# Altium PCB KlusterLab r2.0.PcbDoc (part 17 of 22)
Units mm, origin at the board's own origin, x right, y up, seen from the top; angles counter-clockwise.
Board outline 232 x 250 mm, 12 copper layers (L1 Top, L2 Inner1 (GND), L3 Inner2 (Sig), L4 Inner3 (GND), L5 Inner4 (PWR), L6 Inner5 (PWR), L7 Inner6 (PWR), L8 Inner7 (PWR), L9 Inner8 (GND), L10 Inner9 (Sig), L11 Inner10 (GND), L12 Bottom), stack 1.614 mm thick; 1169 components, 852 nets, 4679 pads, 5115 vias.
Unrouted connection lines stored in the file: 1.
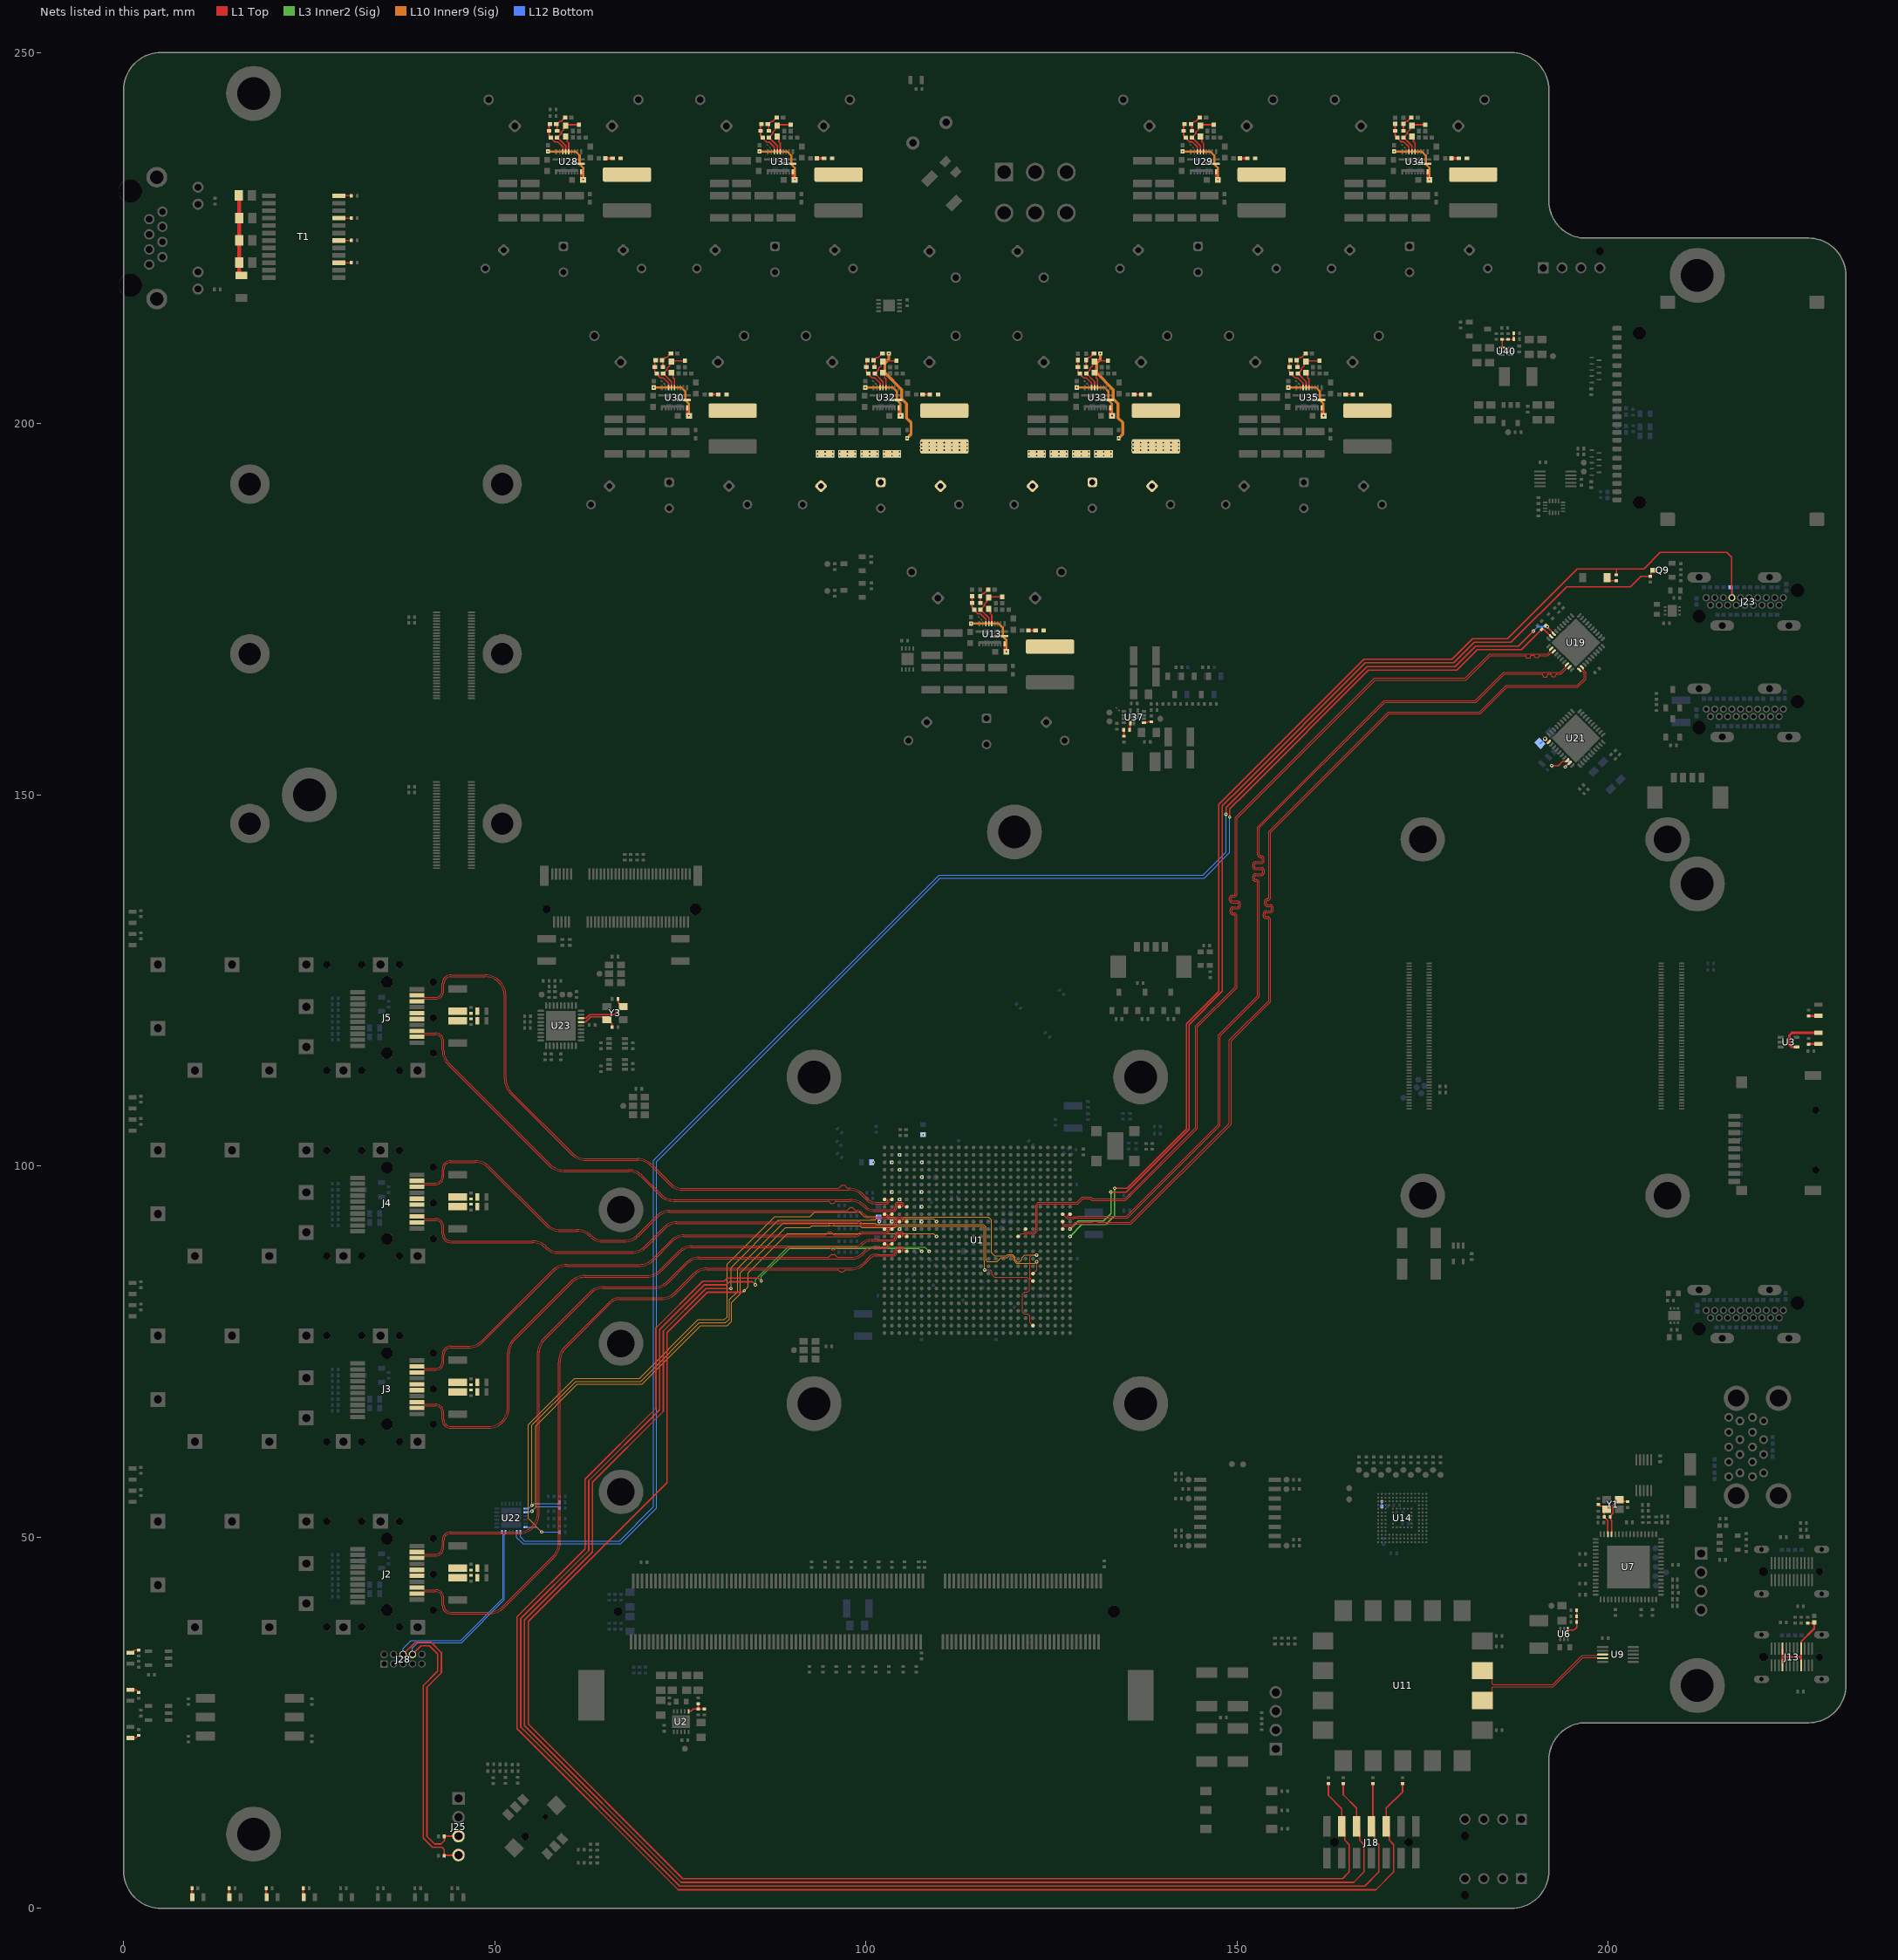
[diagram p27: the nets of this part, all layers, seen from the top]

## Via types
v1: diameter 0.45, hole 0.2, L1 Top to L12 Bottom, tented both sides, 4200 vias
v2: diameter 0.6, hole 0.3, L1 Top to L12 Bottom, tented both sides, 908 vias
v3: diameter 0.4, hole 0.2, L1 Top to L12 Bottom, tented both sides, 7 vias

## Nets (pads, with @x,y where several pads share a name; then routed paths per layer and width w, separated by ;. In a path a pad name is that pad's centre, name@x,y a point inside that pad or via, vN(x,y) a via of type N, cw(c..) or ccw(c..) an arc to the next point about the centre after c; other vN are vias at no path point) (continued)
HDMI_FPGA_TX1_N: U1.K26 U19.38 | length 123.2
  L1 Top w0.1: U1.K26@127.5,93.5 127.392,93.5 127.274,93.382 127.252,93.382 127.142,93.273 127.142,93.19 127.232,93.1 127.811,93.1 127.915,93.204 128.481,93.204
  L1 Top w0.114: 128.481,93.225 135.125,93.225 147.464,105.564 147.464,117.601 152.759,122.897 152.759,137.991 152.759,138.168 ccw(c152.59,138.168) 152.59,138.337 152.494,138.337 cw(c152.494,138.747) 152.084,138.747 152.084,138.973 cw(c152.494,138.973) 152.494,139.383 153.266,139.383 ccw(c153.266,139.552) 153.435,139.552 153.435,139.777 ccw(c153.266,139.777) 153.266,139.946 152.494,139.946 cw(c152.494,140.356) 152.084,140.356 152.084,140.582 cw(c152.494,140.582) 152.494,140.992 153.217,140.992 ccw(c153.217,141.161) 153.386,141.161 153.386,141.386 ccw(c153.217,141.386) 153.217,141.556 153.169,141.556 cw(c153.169,141.966) 152.759,141.966 152.759,142.575 152.759,145.665 169.781,162.686 182.096,162.686 185.904,166.495 193.55,166.495 194.257,167.202 194.257,167.385 U19.38@194.429,167.557
HDMI_FPGA_TX1_P: U1.K25 U19.39 | length 124.7
  L1 Top w0.1: U1.K25@126.5,93.5 126.577,93.423 126.594,93.423 127.118,92.899 127.333,92.899 ; 127.334,92.9 127.893,92.9 127.997,93.004 128.481,93.004
  L1 Top w0.114: 128.481,92.985 135.225,92.985 147.705,105.464 147.705,117.502 153,122.797 153,137.991 153,138.168 ccw(c152.59,138.168) 152.59,138.578 152.494,138.578 cw(c152.494,138.747) 152.325,138.747 152.325,138.973 cw(c152.494,138.973) 152.494,139.142 153.266,139.142 ccw(c153.266,139.552) 153.676,139.552 153.676,139.777 ccw(c153.266,139.777) 153.266,140.187 152.494,140.187 cw(c152.494,140.356) 152.325,140.356 152.325,140.582 cw(c152.494,140.582) 152.494,140.751 153.217,140.751 ccw(c153.217,141.161) 153.627,141.161 153.627,141.386 ccw(c153.217,141.386) 153.217,141.796 153.169,141.796 cw(c153.169,141.966) 153,141.966 153,142.575 153,145.565 169.881,162.445 182.195,162.445 186.004,166.254 190.425,166.254 191.046,166.254 cw(c191.046,166.085) 191.215,166.085 191.215,166.033 ccw(c191.384,166.033) 191.384,165.864 191.61,165.864 ccw(c191.61,166.033) 191.779,166.033 191.779,166.112 cw(c191.948,166.112) 191.948,166.281 192.173,166.281 cw(c192.173,166.112) 192.343,166.112 192.343,166.085 ccw(c192.512,166.085) 192.512,165.916 192.737,165.916 ccw(c192.737,166.085) 192.906,166.085 cw(c193.076,166.085) 193.076,166.254 193.379,166.254 193.65,166.254 194.427,167.032 194.611,167.032 U19.39@194.782,167.203
HDMI_FPGA_TX2_N: U1.L25 U19.1 | length 125.1
  L1 Top w0.1: U1.L25@126.5,92.5 126.5,92.159 126.559,92.1 127.917,92.1 128.217,92.4 128.5,92.4 128.52,92.42
  L1 Top w0.114: 128.505,92.42 128.52,92.42 130.451,92.42 130.507,92.42 130.574,92.487 130.574,92.509 130.619,92.554 131.093,92.554 131.138,92.509 131.138,92.487 131.205,92.42 131.328,92.42 135.62,92.42 148.959,105.759 148.959,116.982 154.255,122.277 154.255,132.997 154.255,133.174 ccw(c154.085,133.174) 154.085,133.343 153.908,133.343 cw(c153.908,133.753) 153.498,133.753 153.498,133.979 cw(c153.908,133.979) 153.908,134.389 154.453,134.389 ccw(c154.453,134.558) 154.622,134.558 154.622,134.783 ccw(c154.453,134.783) 154.453,134.953 154.085,134.953 cw(c154.085,135.362) 153.676,135.362 153.676,135.588 cw(c154.085,135.588) 154.085,135.998 ccw(c154.085,136.167) 154.255,136.167 154.255,137.305 154.255,145.045 170.322,161.113 170.393,161.184 182.686,161.184 186.257,164.754 195.797,164.754 196.737,165.694 196.737,166.394 196.452,166.678 196.269,166.678 U19.1@196.098,166.85
HDMI_FPGA_TX2_P: U1.M25 U19.2 | length 125.5
  L1 Top w0.1: U1.M25@126.5,91.5 126.5,91.841 126.559,91.9 128,91.9 128.3,92.2 128.5,92.2 128.52,92.18
  L1 Top w0.114: 128.52,92.18 135.72,92.18 149.2,105.659 149.2,116.882 154.495,122.178 154.495,132.997 154.495,133.174 ccw(c154.085,133.174) 154.085,133.584 153.908,133.584 cw(c153.908,133.753) 153.739,133.753 153.739,133.979 cw(c153.908,133.979) 153.908,134.148 154.453,134.148 ccw(c154.453,134.558) 154.863,134.558 154.863,134.783 ccw(c154.453,134.783) 154.453,135.193 154.085,135.193 cw(c154.085,135.362) 153.916,135.362 153.916,135.588 cw(c154.085,135.588) 154.085,135.757 ccw(c154.085,136.167) 154.495,136.167 154.495,137.305 154.495,144.945 170.493,160.943 182.786,160.943 186.357,164.513 195.897,164.513 196.978,165.594 196.978,166.493 196.623,166.848 196.623,167.032 U19.2@196.451,167.203
HDMI_FPGA_TXC_N: U1.M20 U19.32 | length 130.7
  L1 Top w0.1: U1.M20@121.5,91.5 121.241,91.241 121.241,91.159 121.3,91.1 122.666,91.1 122.9,91.334 122.9,94.783 123.217,95.1 128,95.1 128.02,95.12
  L1 Top w0.114: 128.02,95.12 128.42,95.12 129.141,95.841 130.319,95.841 130.542,95.618 134.878,95.618 144.432,105.173 144.432,118.857 149.728,124.153 149.728,133.005 149.728,133.676 ccw(c149.558,133.676) 149.558,133.846 149.445,133.846 cw(c149.445,134.256) 149.035,134.256 149.035,134.481 cw(c149.445,134.481) 149.445,134.891 150.056,134.891 ccw(c150.056,135.06) 150.225,135.06 150.225,135.286 ccw(c150.056,135.286) 150.056,135.455 149.366,135.455 cw(c149.366,135.865) 148.956,135.865 148.956,136.09 cw(c149.366,136.09) 149.366,136.5 149.558,136.5 ccw(c149.558,136.669) 149.728,136.669 149.728,137.651 149.728,146.92 168.525,165.718 180.727,165.718 184.009,169 191.802,169 191.807,168.995 192.136,169.323 192.136,169.507 U19.32@192.307,169.678
HDMI_FPGA_TXC_P: U1.N19 U19.33 | length 132.2
  L1 Top w0.1: U1.N19@120.5,90.5 120.9,90.9 122.749,90.9 123.1,91.251 123.1,94.7 123.3,94.9 128,94.9 128.02,94.88
  L1 Top w0.114: 128.02,94.88 128.52,94.88 129.241,95.6 130.219,95.6 130.442,95.377 134.977,95.377 144.673,105.073 144.673,118.757 149.968,124.053 149.968,133.005 149.968,133.676 ccw(c149.558,133.676) 149.558,134.086 149.445,134.086 cw(c149.445,134.256) 149.276,134.256 149.276,134.481 cw(c149.445,134.481) 149.445,134.65 150.056,134.65 ccw(c150.056,135.06) 150.466,135.06 150.466,135.286 ccw(c150.056,135.286) 150.056,135.696 149.366,135.696 cw(c149.366,135.865) 149.197,135.865 149.197,136.09 cw(c149.366,136.09) 149.366,136.259 149.558,136.259 ccw(c149.558,136.669) 149.968,136.669 149.968,137.651 149.968,146.821 168.625,165.477 180.827,165.477 184.104,168.754 188.209,168.754 188.83,168.754 cw(c188.83,168.64) 188.943,168.64 188.943,168.536 ccw(c189.056,168.536) 189.056,168.423 189.395,168.423 ccw(c189.395,168.536) 189.507,168.536 189.507,168.673 cw(c189.62,168.673) 189.62,168.786 189.958,168.786 cw(c189.958,168.673) 190.071,168.673 190.071,168.601 ccw(c190.184,168.601) 190.184,168.488 190.522,168.488 ccw(c190.522,168.601) 190.635,168.601 190.635,168.64 cw(c190.749,168.64) 190.749,168.754 191.575,168.754 191.907,168.754 192.306,169.153 192.489,169.153 U19.33@192.661,169.325
HDMI_FPGA_TXCEC: D44.2 J23.13 R151.2 U1.N26 | length 160.6
  L1 Top w0.15: v1(133.5,97) 135.162,97 143.181,105.019 143.181,119.177 147.5,123.496 147.5,146.3 147.5,148.721 150.264,151.486 167.079,168.3 178.979,168.3 181.733,171.054 186.397,171.054 195.797,180.454 201.097,180.454 ; R151.2@201.097,179.649 201.097,180.454 ; 216.602,181.354 216.602,182.049 215.997,182.654 206.997,182.654 204.797,180.454 201.097,180.454 ; 216.633,181.354 216.633,176.585 J23.13@216.664,176.554
  L3 Inner2 (Sig) w0.15: v1(127.5,90.5) 129.1,92.1 132.3,92.1 133.5,93.3 v1(133.5,97)
  L12 Bottom w0.166: D44.2@216.472,177.954 216.664,177.762 J23.13@216.664,176.554
HDMI_FPGA_TXHPD: Q9.3 R155.1 U1.M26 | length 140.3
  L1 Top w0.15: v1(133,96.5) 135.062,96.5 143.5,104.938 143.5,119.048 148,123.548 148,148.514 150.618,151.132 167.286,167.8 179.186,167.8 181.94,170.554 186.897,170.554 194.397,178.054 203.002,178.054 204.397,179.449 R155.1@205.657,179.449 205.747,179.539 205.747,180.029 205.972,180.254 Q9.3@206.122,180.254
  L3 Inner2 (Sig) w0.15: v1(127.5,91.5) 128.6,92.6 132,92.6 133,93.6 v1(133,96.5)
HDMI_FPGA_TXSCL: R158.2 U19.29 U22.2 | length 222.7
  L1 Top w0.15: v1(149,147) 149,148.1 151.325,150.425 167.7,166.8 179.6,166.8 182.354,169.554 188.287,169.554 R158.2@191.017,172.284
  L1 Top w0.2: R158.2@191.017,172.284 191.052,172.319 191.18,172.319 191.215,172.284 191.371,172.284 U19.29@192.307,171.347
  L12 Bottom w0.1: U22.2@52.95,50.688 52.95,49.95 53.8,49.1 66.966,49.1 71.8,53.934 71.8,100.6 110,138.8 145.566,138.8 149,142.234 v1(149,147)
HDMI_FPGA_TXSDA: R159.2 U19.28 U22.1 | length 222.7
  L1 Top w0.15: v1(148.5,147.4) 148.5,148.307 150.971,150.779 167.493,167.3 179.393,167.3 182.147,170.054 187.897,170.054 v1(189.897,172.054)
  L1 Top w0.2: R159.2@191.583,172.85 191.583,172.806 192.661,171.728 U19.28@192.661,171.7
  L12 Bottom w0.1: U22.1@53.45,50.688 53.45,50.05 54,49.5 66.8,49.5 71.4,54.1 71.4,100.766 109.834,139.2 145.4,139.2 148.5,142.3 v1(148.5,147.4)
  L12 Bottom w0.2: v1(189.897,172.054) 190.497,172.654 v1(191.797,172.654)
HDMI_RX_PEEN: R165.2 U21.29 | length 1.7
  L1 Top w0.2: v1(194.197,153.754) 194.267,153.754 U21.29@194.817,154.303
  L12 Bottom w0.2: v1(194.197,153.754) 194.197,153.825 194.735,154.363 R165.2@194.735,154.434
HDMI_RX_TXEN: R164.2 U21.28 | length 2.4
  L1 Top w0.2: v1(192.379,153.929) 192.395,153.945 193.289,153.945 193.85,154.507 194.313,154.507 U21.28@194.463,154.657
I2C_OLED_SCL: J25.3 J28.6 R173.1 U22.6 | length 63.5
  L1 Top w0.2: J28.6@37.63,34.2 39.284,35.854 41.396,35.854 42.8,34.45 42.8,31.743 40.85,29.793 40.85,9.7 41.883,8.667 42.767,8.667 43.205,9.105 R173.1@43.205,9.715 ; R173.1@43.19,9.7 R173.1@43.205,9.715 ; J25.3@45.095,9.73 45.08,9.715 R173.1@43.205,9.715
  L12 Bottom w0.1: J28.6@37.63,34.2 37.63,35.03 38.7,36.1 45.4,36.1 51.1,41.8 51.1,50.379 51.041,50.438 51.025,50.438 50.95,50.513 U22.6@50.95,50.688
I2C_OLED_SDA: J25.4 J28.8 R174.1 U22.5 | length 61.3
  L1 Top w0.2: J28.8@38.9,34.2 40.067,35.367 41.176,35.367 42.3,34.243 42.3,31.95 40.35,30 40.35,9.45 41.583,8.217 42.883,8.217 43.19,7.91 R174.1@43.19,7.1 ; R174.1@43.235,7.145 45.05,7.145 J25.4@45.095,7.19
  L12 Bottom w0.1: J28.8@38.9,34.2 38.9,35.1 39.6,35.8 45.5,35.8 51.3,41.6 51.3,50.379 51.359,50.438 51.375,50.438 51.45,50.513 U22.5@51.45,50.688
JTAG_TCK: J18.6 R97.1 U1.L8 | length 241.3
  L1 Top w0.2: v1(81.8,83.5) 78.443,83.5 72.7,77.757 72.7,66.95 63.15,57.4 63.15,48.007 54,38.857 54,24.614 75.114,3.5 145,3.5 165.7,3.5 167.1,4.9 167.1,8.6 166.5,9.2 166.5,10.625 J18.6@166.1,11.025 166.1,13.5 164.3,15.3 R97.1@164.3,16.805
  L10 Inner9 (Sig) w0.1: v1(81.8,83.5) 81.815,83.515 81.815,86.315 88.2,92.7 101.2,92.7 101.4,92.9 109.1,92.9 v1(109.5,92.5)
JTAG_TDI: J18.10 R100.1 U1.R6 | length 244.1
  L1 Top w0.2: v1(85.885,84.515) 85.855,84.515 85.47,84.9 81.3,84.9 80.9,84.5 78.029,84.5 71.7,78.171 71.7,67.364 62.15,57.814 62.15,48.421 53,39.271 53,24.2 74.7,2.5 145,2.5 168.7,2.5 171.1,4.9 171.1,8.6 170.5,9.2 170.5,10.625 J18.10@170.1,11.025 170.1,13.5 172.3,15.7 R100.1@172.3,16.805
  L3 Inner2 (Sig) w0.1: v1(85.885,84.515) 85.915,84.546 85.915,85.115 89.7,88.9 107.1,88.9 v1(107.5,88.5)
JTAG_TDO: J18.8 R99.1 U1.R7 | length 240.9
  L1 Top w0.2: v1(85.1,84) 84.7,84.4 81.6,84.4 81.2,84 78.236,84 72.2,77.964 72.2,67.157 62.65,57.607 62.65,48.214 53.5,39.064 53.5,24.407 74.907,3 145,3 167.2,3 169.1,4.9 169.1,8.6 168.5,9.2 168.5,10.625 J18.8@168.1,11.025 168.3,11.225 R99.1@168.3,16.81
  L3 Inner2 (Sig) w0.1: v1(85.1,84) 85.1,84.7 89.5,89.1 107.9,89.1 v1(108.5,88.5)
JTAG_TMS: J18.4 R101.1 U1.N8 | length 236.2
  L1 Top w0.2: v1(83.6,83.2) 83.558,83.2 83.358,83 78.65,83 73.2,77.55 73.2,57.35 54.5,38.65 54.5,24.821 75.321,4 145,4 164.2,4 165.1,4.9 165.1,8.6 164.5,9.2 164.5,10.625 J18.4@164.1,11.025 164.1,13.4 162.3,15.2 R101.1@162.3,16.805
  L10 Inner9 (Sig) w0.1: v1(83.6,83.2) 84.1,83.7 84.1,85.6 89.4,90.9 109.1,90.9 v1(109.5,90.5)
JTAG_USB_D_N: U9.4 U11.16 | length 19
  L1 Top w0.146: U11.16@183.025,28 183.275,28 184.352,29.077 184.352,29.715 184.5,29.863 192.613,29.863 196.563,33.813 198.452,33.813 198.565,33.7 U9.4@199.233,33.7
JTAG_USB_D_P: U9.3 U11.17 | length 19
  L1 Top w0.146: U11.17@183.025,32 183.275,32 184.352,30.923 184.352,30.285 184.5,30.137 192.5,30.137 196.447,34.083 198.449,34.083 198.566,34.2 U9.3@199.233,34.2
Main_I2C_MUX_RST: R199.1 U1.W21 U22.24 | length 115.4
  L1 Top w0.1: U1.W21@122.5,84.5 122.1,84.9 122.1,87.8 122.3,88 v1(123,88)
  L10 Inner9 (Sig) w0.1: v1(56.3,50.7) 54.5,52.5 54.5,65.169 60.731,71.4 69.5,71.4 77.4,79.3 80.9,79.3 81.3,79.7 81.3,86.8 87.7,93.2 92.45,93.2 93.1,93.85 99.126,93.85 99.776,93.2 101.3,93.2 101.4,93.1 116.5,93.1 116.9,92.7 116.9,88.287 117.304,87.883 118.883,87.883 119.1,88.1 119.75,88.1 120.1,87.75 120.1,87.369 120.369,87.1 120.7,87.1 121,87.4 121,87.65 121.35,88 v1(123,88)
  L12 Bottom w0.114: U22.24@54.113,51.35 55.65,51.35 v1(56.3,50.7) R199.1@58.705,50.7
Main_I2C_SCL: R198.1 U1.V21 U22.19 | length 106
  L1 Top w0.1: U1.V21@122.5,85.5 123,86 v1(123,87.1)
  L10 Inner9 (Sig) w0.1: v1(55,54.3) 55,65.086 60.914,71 69.666,71 77.566,78.9 81.1,78.9 81.6,79.4 81.6,82 82.7,83.1 82.7,86.2 88.8,92.3 101.2,92.3 101.4,92.1 115.8,92.1 116.125,91.775 116.125,87.345 116.345,87.125 117.698,87.125 118.23,87.658 119.008,87.658 119.25,87.9 119.65,87.9 119.9,87.65 119.9,87.286 120.286,86.9 122.766,86.9 122.966,87.1 v1(123,87.1)
  L12 Bottom w0.114: U22.19@54.113,53.85 54.55,53.85 v1(55,54.3) 55.018,54.3 55.235,54.517 58.572,54.517 58.655,54.6 58.655,54.75 R198.1@58.605,54.8
Main_I2C_SDA: R197.1 U1.AE21 U22.20 | length 111.8
  L1 Top w0.1: v1(116,86) 116.75,86 117,85.75 117,85.35 117.35,85 121.7,85 122,84.7 122,83.275 121.725,83 121.375,83 121.1,82.725 121.1,80.334 121.334,80.1 121.666,80.1 121.775,80.1 122.1,79.775 122.1,78.9 U1.AE21@122.5,78.5
  L10 Inner9 (Sig) w0.114: v1(55,53.5) 55.5,54 55.5,65 61.1,70.6 69.831,70.6 77.731,78.5 81.3,78.5 81.9,79.1 81.9,81.6 83.1,82.8 83.1,85.6 89.2,91.7 92.45,91.7 92.7,91.95 99.15,91.95 99.4,91.7 103.907,91.7 104.1,91.893 115.7,91.893 115.918,91.675 115.918,87.259 116,87.177 v1(116,86)
  L12 Bottom w0.114: U22.20@54.113,53.35 54.584,53.35 54.685,53.451 54.951,53.451 v1(55,53.5) 55.6,54.1 58.505,54.1 58.522,54.083 58.572,54.083 58.705,53.95 R197.1@58.705,53.9
MGTAVCC: C237.1 C239.1 C240.1 C241.1 C242.1 C251.1 C432.1 C433.1 C434.1 C435.1 C436.1 C439.1 C440.1 C441.1 C442.1 C444.1 C445.1 C446.1 L17.2 R301.2 U1.C6 U1.E6 U1.G6 U1.J6 U1.L6 | length 13.3
  L10 Inner9 (Sig) w0.4: v1(131.575,209.45) 131.575,208.713 131.05,208.188 131.05,206.85 133.311,204.589 133.311,203.355 133.959,202.708 133.959,200.766 134.575,200.15 134.575,198.575 v1(134.05,198.05)
  other v1: 107.5,92.5 107.5,94.5 107.5,96.5 107.512,98.502 107.5,100.5 107.7,104.2 121.975,195.7 123,195.7 124.025,195.7 124.975,195.7 126,195.7 127.025,195.7 127.975,195.7 129,195.7 130.025,195.7 130.975,195.7 132,195.7 133.025,195.7 121.975,196.2 123,196.2 124.025,196.2 124.975,196.2 126,196.2 127.025,196.2 127.975,196.2 129,196.2 130.025,196.2 130.975,196.2 132,196.2 133.025,196.2 135.975,196.44 137,196.44 138.025,196.44 139.05,196.44 140.075,196.44 141.1,196.44 142.125,196.44 135.975,196.94 137,196.94 138.025,196.94 139.05,196.94 140.075,196.94 141.1,196.94 142.125,196.94 135.975,197.44 137,197.44 138.025,197.44 139.05,197.44 140.075,197.44 141.1,197.44 142.125,197.44
MGTAVTT: C238.1 C247.1 C248.1 C255.1 C256.1 C257.1 C261.1 C262.1 C263.1 C398.1 C399.1 C400.1 C401.1 C402.1 C405.1 C406.1 C407.1 C408.1 C410.1 C411.1 C412.1 L16.2 R16.2 R253.2 U1.B3 U1.C2 U1.D3 U1.G2 U1.H3 U1.L2 U1.M3 U1.M5 | length 14
  L10 Inner9 (Sig) w0.4: v1(103.075,209.45) 103.075,208.713 102.55,208.188 102.55,206.85 104.811,204.589 104.811,203.355 105.459,202.708 105.459,200.766 106.075,200.15 106.075,198.575 v1(105.55,198.05)
  L12 Bottom w0.5: C261.1@101.7,93.125 101.735,93.125 101.8,93.06 v1(101.8,92.5)
  other v1: 104.5,91.5 106.5,91.5 103.5,92.5 104.5,95.5 103.5,96.5 104.5,99.5 101,100.5 103.5,100.5 104.5,101.5 93.475,195.7 94.5,195.7 95.525,195.7 96.475,195.7 97.5,195.7 98.525,195.7 99.475,195.7 100.5,195.7 101.525,195.7 102.475,195.7 103.5,195.7 104.525,195.7 93.475,196.2 94.5,196.2 95.525,196.2 96.475,196.2 97.5,196.2 98.525,196.2 99.475,196.2 100.5,196.2 101.525,196.2 102.475,196.2 103.5,196.2 104.525,196.2 107.475,196.44 108.5,196.44 109.525,196.44 110.55,196.44 111.575,196.44 112.6,196.44 113.625,196.44 107.475,196.94 108.5,196.94 109.525,196.94 110.55,196.94 111.575,196.94 112.6,196.94 113.625,196.94 107.475,197.44 108.5,197.44 109.525,197.44 110.55,197.44 111.575,197.44 112.6,197.44 113.625,197.44
MGTX115_RX0_N: J2.12 U1.R3 | length 104
  L1 Top w0.1: 101.586,87.886 101.6,87.9 103.71,87.9 ccw(c103.71,88.29) 104.099,88.29 ; 104.101,88.293 104.101,88.644 cw(c104.357,88.644) 104.357,88.9 104.689,88.9 cw(c104.669,88.645) 104.905,88.742 cw(c104.669,88.645) 104.925,88.644 104.925,88.61 cw(c104.814,88.61) 104.814,88.5 ; U1.R3@104.5,88.5 104.802,88.5
  L1 Top w0.114: J2.12@39.5,42.4 40.2,42.4 40.48,42.68 41.98,42.68 cw(c41.98,41.759) 42.9,41.759 42.9,40.841 ccw(c44.061,40.841) 44.061,39.68 45.561,39.68 49.268,39.68 ccw(c49.268,42.46) 51.235,40.494 57.986,47.245 ccw(c56.019,49.211) 58.8,49.211 58.8,73.648 cw(c61.34,73.648) 59.544,75.444 65.65,81.55 cw(c66.736,80.464) 66.736,82 72.447,82 ccw(c72.447,84.806) 74.431,82.822 76.979,85.37 cw(c78.5,83.849) 78.499,86 96.173,86 cw(c96.173,85.814) 96.305,85.945 96.497,85.753 ccw(c96.625,85.881) 96.625,85.7 96.825,85.7 ccw(c96.825,85.881) 96.953,85.753 97.146,85.945 cw(c97.277,85.814) 97.277,86 ; 97.301,86 97.931,86 ccw(c97.889,88.781) 99.855,86.814 100.71,87.67 cw(c101.2,87.18) 101.2,87.873 101.586,87.873
MGTX115_RX0_P: J2.13 U1.R4 | length 104.2
  L1 Top w0.1: 101.586,88.113 101.6,88.1 103.65,88.1 ccw(c103.65,88.351) 103.901,88.351 103.901,88.71 cw(c104.29,88.71) 104.29,89.1 104.353,89.1 ; 104.357,89.1 ccw(c104.357,88.644) 104.353,89.1 ; 105.125,88.61 105.125,88.644 ccw(c104.669,88.645) 105.124,88.656 ; 105.125,88.71 ccw(c104.735,88.71) 104.735,89.1 104.353,89.1 ; 105.125,88.61 ccw(c105.236,88.61) 105.236,88.5 ; 105.125,88.656 cw(c105.225,88.659) 105.125,88.659 105.125,88.71 ; 105.247,88.5 U1.R4@105.5,88.5 U1.R4@105.549,88.5
  L1 Top w0.114: J2.13@39.5,43.2 40.2,43.2 40.48,42.92 41.98,42.92 cw(c41.98,41.759) 43.141,41.759 43.141,40.841 ccw(c44.061,40.841) 44.061,39.92 45.561,39.92 47.14,39.92 49.268,39.92 ccw(c49.268,42.46) 51.064,40.664 57.815,47.415 ccw(c56.019,49.211) 58.559,49.211 58.559,73.648 cw(c61.34,73.648) 59.374,75.614 65.48,81.72 cw(c66.736,80.464) 66.736,82.241 72.447,82.241 ccw(c72.447,84.806) 74.261,82.992 76.809,85.54 cw(c78.5,83.849) 78.499,86.241 97.889,86.241 ccw(c97.889,88.781) 99.685,86.985 100.54,87.84 cw(c101.2,87.18) 101.2,88.113 101.586,88.113
MGTX115_RX1_N: J3.12 U1.N3 | length 84.5
  L1 Top w0.1: 101.586,89.887 101.6,89.9 103.71,89.9 ccw(c103.71,90.29) 104.099,90.29 ; 104.101,90.293 104.101,90.644 cw(c104.357,90.644) 104.357,90.9 104.689,90.9 ; U1.N3@104.5,90.5 104.802,90.5 ; 104.669,90.9 104.682,90.9 cw(c104.681,90.8) 104.689,90.9 ; 104.814,90.5 ccw(c104.814,90.61) 104.925,90.61 104.925,90.644 ccw(c104.669,90.645) 104.905,90.742 ccw(c104.669,90.645) 104.689,90.9
  L1 Top w0.114: J3.12@39.5,67.4 40.2,67.4 40.48,67.68 41.98,67.68 cw(c41.98,66.759) 42.9,66.759 42.9,65.841 ccw(c44.061,65.841) 44.061,64.68 45.561,64.68 49.16,64.68 ccw(c49.16,67.46) 51.941,67.46 51.941,74.748 cw(c54.481,74.748) 52.685,76.544 60.445,84.305 cw(c62.124,82.626) 62.124,85 70.447,85 ccw(c70.447,87.806) 72.431,85.822 74.979,88.37 cw(c76.5,86.849) 76.5,89 ; 76.5,89 95.021,89 cw(c95.021,88.814) 95.153,88.945 95.346,88.753 ccw(c95.474,88.881) 95.474,88.7 95.674,88.7 ccw(c95.674,88.881) 95.802,88.753 95.994,88.945 cw(c96.126,88.814) 96.126,89 98.674,89 ccw(c98.674,90.126) 99.47,89.33 cw(c100.781,88.019) 100.781,89.873 101.586,89.873
MGTX115_RX1_P: J3.13 U1.N4 | length 84.6
  L1 Top w0.1: 101.586,90.114 101.6,90.1 103.65,90.1 ccw(c103.65,90.351) 103.901,90.351 103.901,90.71 cw(c104.29,90.71) 104.29,91.1 104.353,91.1 ; 104.357,91.1 ccw(c104.357,90.644) 104.353,91.1 ; 105.125,90.61 105.125,90.644 ccw(c104.669,90.645) 105.124,90.656 ; 105.125,90.71 ccw(c104.735,90.71) 104.735,91.1 104.353,91.1 ; 105.125,90.61 ccw(c105.236,90.61) 105.236,90.5 ; 105.125,90.656 cw(c105.225,90.659) 105.125,90.659 105.125,90.71 ; 105.247,90.5 U1.N4@105.5,90.5 U1.N4@105.549,90.5
  L1 Top w0.114: J3.13@39.5,68.2 40.2,68.2 40.48,67.92 41.98,67.92 cw(c41.98,66.759) 43.141,66.759 43.141,65.841 ccw(c44.061,65.841) 44.061,64.92 45.561,64.92 49.16,64.92 ccw(c49.16,67.46) 51.7,67.46 51.7,74.748 cw(c54.481,74.748) 52.514,76.714 60.275,84.475 cw(c62.124,82.626) 62.124,85.241 70.447,85.241 ccw(c70.447,87.806) 72.261,85.992 74.809,88.54 cw(c76.5,86.849) 76.5,89.241 98.674,89.241 ccw(c98.674,90.126) 99.3,89.5 cw(c100.781,88.019) 100.781,90.114 101.586,90.114